# Altium PCB S6.PcbDoc (part 10 of 14) (continued)
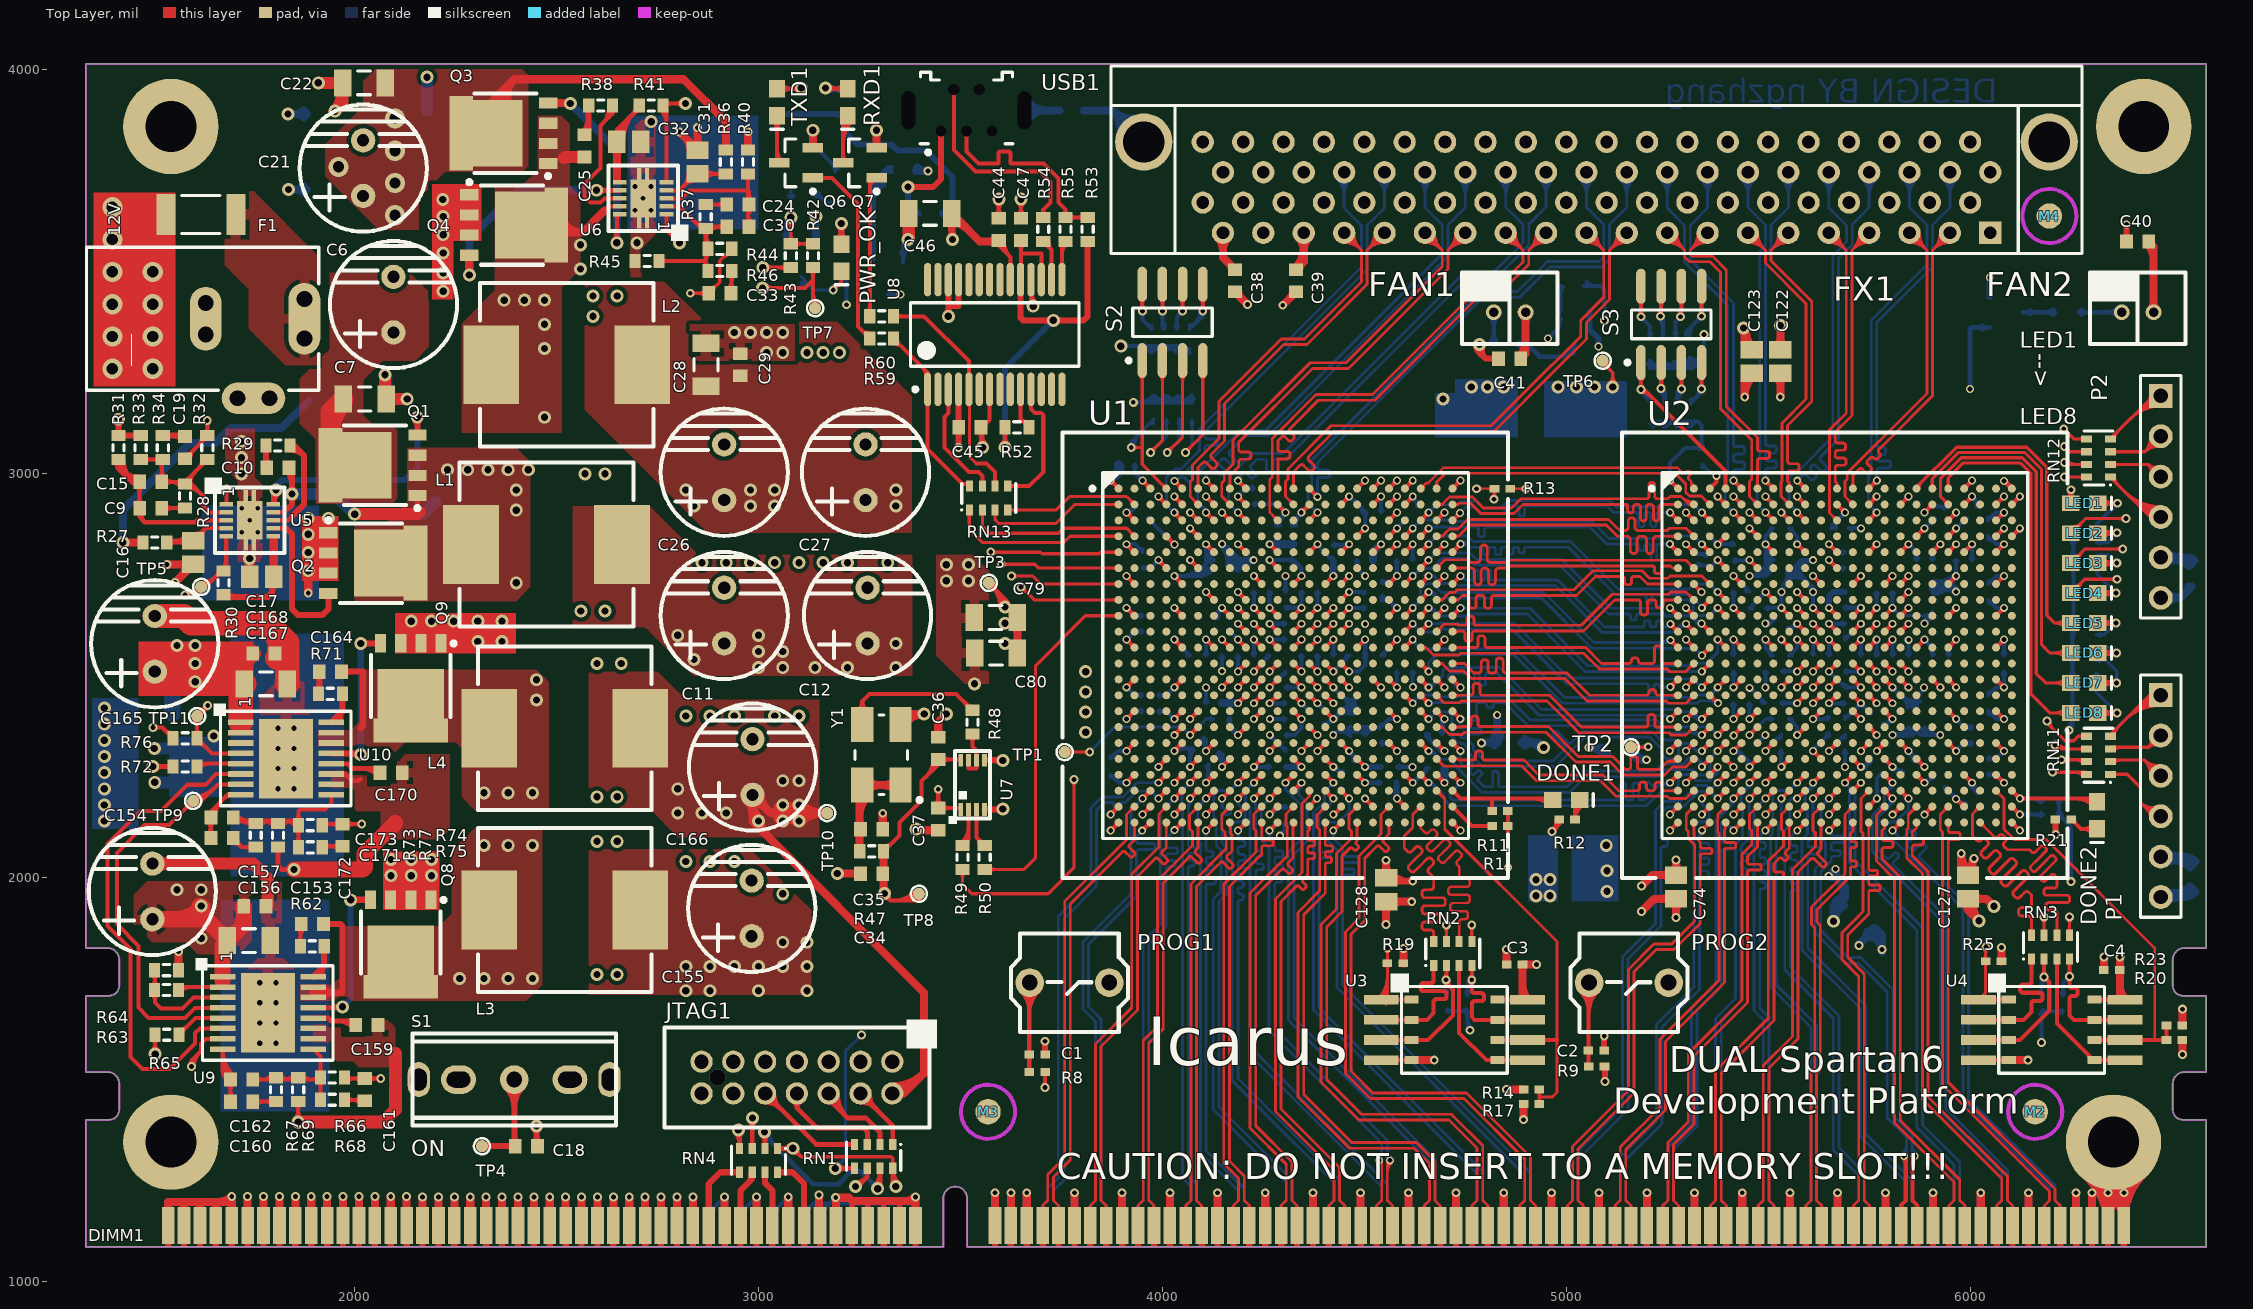
[diagram p0: Top Layer view]
## Nets (pads, with @x,y where several pads share a name; then routed paths per layer and width w, separated by ;. In a path a pad name is that pad's centre, name@x,y a point inside that pad or via, vN(x,y) a via of type N, cw(c..) or ccw(c..) an arc to the next point about the centre after c; other vN are vias at no path point) (continued)
NetLED2_2: LED2.2 RN9.6 | length 257.9
  Top Layer w10: LED2.2@6316.46,2852.86 6362.86,2852.86 v3(6364,2854) ; LED2.2@6328.82,2842.47 cw(c6353.89,2817.4) 6353.89,2852.86 cw(c6353.89,2888.31) LED2.2@6328.82,2863.24 ; 6342.39,2855.94 ccw(c6348.18,2877.54) v3@6360.65,2858.98 ; 6346.09,2850.77 cw(c6351.17,2831.78) v3@6361,2848.8 ; 6346.75,2852.86 ccw(c6346.75,2871.25) v3@6359.76,2858.24 ; 6352.27,2852.86 cw(c6352.27,2842.27) v3@6359.76,2849.76
  Bottom Layer w10: RN9.6@6314.53,2829.75 6339.75,2829.75 v3(6364,2854) ; RN9.6@6322.18,2827.02 cw(c6328.76,2820.43) 6328.76,2829.75 cw(c6328.76,2839.06) RN9.6@6322.18,2832.48 ; v3@6358,2854 cw(c6343.51,2854) 6353.76,2843.76 cw(c6364,2833.51) v3@6364,2848
NetLED3_2: LED3.2 RN9.7 | length 287.8
  Top Layer w8: LED3.2@6316.46,2778.71 v3(6363.29,2778.71) ; LED3.2@6329.52,2767.62 cw(c6356.3,2740.85) 6356.3,2778.71 cw(c6356.3,2816.58) LED3.2@6329.52,2789.8 ; 6342.28,2774.96 cw(c6348.25,2752.67) v3@6359.79,2772.65 ; 6342.28,2782.47 ccw(c6348.25,2804.76) v3@6359.79,2784.78 ; 6350.71,2777.22 ccw(c6347.93,2787.58) v3@6357.22,2782.21 ; 6350.71,2780.21 cw(c6347.93,2769.85) v3@6357.22,2775.21 ; v3@6358.34,2773.76 ccw(c6346.39,2761.81) 6346.39,2778.71 ccw(c6346.39,2795.61) v3@6358.34,2783.66
  Bottom Layer w8: RN9.7@6314.53,2798.25 6343.75,2798.25 v3(6363.29,2778.71) ; RN9.7@6322.88,2794.82 cw(c6331.18,2786.52) 6331.18,2798.25 cw(c6331.18,2809.98) RN9.7@6322.88,2801.69 ; v3@6356.29,2778.71 ccw(c6339.39,2778.71) 6351.34,2790.66 ccw(c6363.29,2802.61) v3@6363.29,2785.71
NetLED4_2: LED4.2 RN9.8 | length 310.7
  Top Layer w8: LED4.2@6316.46,2704.57 v3(6361.43,2704.57) ; LED4.2@6329.52,2693.48 cw(c6356.3,2666.7) 6356.3,2704.57 cw(c6356.3,2742.44) LED4.2@6329.52,2715.66 ; 6341.67,2700.65 cw(c6347.21,2679.95) v3@6357.93,2698.51 ; 6341.67,2708.49 ccw(c6347.21,2729.19) v3@6357.93,2710.63 ; 6347.86,2702.31 ccw(c6344.66,2714.25) v3@6355.37,2708.07 ; 6347.86,2706.83 cw(c6344.66,2694.89) v3@6355.37,2701.07 ; v3@6356.48,2699.62 ccw(c6344.53,2687.67) 6344.53,2704.57 ccw(c6344.53,2721.47) v3@6356.48,2709.52
  Bottom Layer w8: RN9.8@6311.09,2763.32 cw(c6302.8,2755.03) 6314.53,2755.03 cw(c6326.26,2755.03) RN9.8@6317.96,2763.32 ; RN9.8@6314.53,2766.76 6314.53,2751.47 v3(6361.43,2704.57) ; v3@6354.43,2704.57 ccw(c6337.53,2704.57) 6349.48,2716.52 ccw(c6361.43,2728.47) v3@6361.43,2711.57
NetLED5_2: LED5.2 RN10.5 | length 290.3
  Top Layer w8: LED5.2@6316.46,2630.43 v3(6361.57,2630.43) ; LED5.2@6329.52,2619.34 cw(c6356.3,2592.56) 6356.3,2630.43 cw(c6356.3,2668.3) LED5.2@6329.52,2641.52 ; 6341.71,2626.52 cw(c6347.29,2605.7) v3@6358.07,2624.37 ; 6341.71,2634.34 ccw(c6347.29,2655.16) v3@6358.07,2636.49 ; 6348.08,2628.22 ccw(c6344.91,2640.05) v3@6355.51,2633.93 ; 6348.08,2632.63 cw(c6344.91,2620.81) v3@6355.51,2626.93 ; v3@6356.62,2625.48 ccw(c6344.67,2613.53) 6344.67,2630.43 ccw(c6344.67,2647.33) v3@6356.62,2635.38
  Bottom Layer w8: RN10.5@6312.53,2601.24 6332.39,2601.24 v3(6361.57,2630.43) ; RN10.5@6320.88,2597.81 cw(c6329.18,2589.52) 6329.18,2601.24 cw(c6329.18,2612.97) RN10.5@6320.88,2604.68 ; v3@6354.57,2630.43 cw(c6337.67,2630.43) 6349.62,2618.48 cw(c6361.57,2606.53) v3@6361.57,2623.43
NetLED6_2: LED6.2 RN10.6 | length 286.1
  Top Layer w8: LED6.2@6316.46,2556.29 v3(6362.71,2556.29) ; LED6.2@6329.52,2545.19 cw(c6356.3,2518.42) 6356.3,2556.29 cw(c6356.3,2594.15) LED6.2@6329.52,2567.38 ; 6342.09,2552.48 cw(c6347.93,2530.68) v3@6359.21,2550.22 ; 6342.09,2560.09 ccw(c6347.93,2581.89) v3@6359.21,2562.35 ; 6349.83,2554.55 ccw(c6346.93,2565.4) v3@6356.65,2559.79 ; 6349.83,2558.02 cw(c6346.93,2547.17) v3@6356.65,2552.79 ; v3@6357.76,2551.34 ccw(c6345.81,2539.39) 6345.81,2556.29 ccw(c6345.81,2573.19) v3@6357.76,2561.24
  Bottom Layer w8: RN10.6@6312.53,2569.75 6349.25,2569.75 v3(6362.71,2556.29) ; RN10.6@6320.88,2566.31 cw(c6329.18,2558.02) 6329.18,2569.75 cw(c6329.18,2581.48) RN10.6@6320.88,2573.18 ; v3@6355.71,2556.29 ccw(c6338.81,2556.29) 6350.76,2568.24 ccw(c6362.71,2580.19) v3@6362.71,2563.29
NetLED7_2: LED7.2 RN10.7 | length 321
  Top Layer w8: LED7.2@6316.46,2482.14 v3(6362.86,2482.14) ; LED7.2@6329.52,2471.05 cw(c6356.3,2444.28) 6356.3,2482.14 cw(c6356.3,2520.01) LED7.2@6329.52,2493.23 ; 6342.14,2478.35 cw(c6348.01,2456.43) v3@6359.36,2476.08 ; 6342.14,2485.94 ccw(c6348.01,2507.86) v3@6359.36,2488.21 ; 6350.05,2480.47 ccw(c6347.18,2491.2) v3@6356.8,2485.64 ; 6350.05,2483.82 cw(c6347.18,2473.09) v3@6356.8,2478.64 ; v3@6357.91,2477.19 ccw(c6345.96,2465.24) 6345.96,2482.14 ccw(c6345.96,2499.04) v3@6357.91,2487.09
  Bottom Layer w8: RN10.7@6312.53,2538.25 6335.75,2538.25 6362.86,2511.14 v3(6362.86,2482.14) ; RN10.7@6320.88,2534.82 cw(c6329.18,2526.52) 6329.18,2538.25 cw(c6329.18,2549.98) RN10.7@6320.88,2541.69 ; v3@6357.91,2487.09 ccw(c6345.96,2499.04) 6362.86,2499.04 ccw(c6379.76,2499.04) v3@6367.81,2487.09
NetLED8_2: LED8.2 RN10.8 | length 351.7
  Top Layer w8: LED8.2@6316.46,2408 v3(6364,2408) ; LED8.2@6329.52,2396.91 cw(c6356.3,2370.13) 6356.3,2408 cw(c6356.3,2445.87) LED8.2@6329.52,2419.09 ; 6342.51,2404.31 cw(c6348.65,2381.41) v3@6360.5,2401.94 ; 6342.51,2411.69 ccw(c6348.65,2434.59) v3@6360.5,2414.06 ; 6351.81,2406.8 ccw(c6349.19,2416.55) v3@6357.94,2411.5 ; 6351.81,2409.2 cw(c6349.19,2399.45) v3@6357.94,2404.5 ; v3@6359.05,2403.05 ccw(c6347.1,2391.1) 6347.1,2408 ccw(c6347.1,2424.9) v3@6359.05,2412.95
  Bottom Layer w8: RN10.8@6309.09,2503.32 cw(c6300.8,2495.03) 6312.53,2495.03 cw(c6324.26,2495.03) RN10.8@6315.96,2503.32 ; RN10.8@6312.53,2506.76 6312.53,2459.47 v3(6364,2408) ; v3@6357,2408 ccw(c6340.1,2408) 6352.05,2419.95 ccw(c6364,2431.9) v3@6364,2415
NetP1_1: P1.1 RN11.4 | length 544.7
  Top Layer w8: RN11.4@6347.53,2354.24 6445.28,2452 P1.1@6471,2452 ; RN11.4@6349.31,2350.24 cw(c6363.26,2350.24) 6353.39,2360.11 ; RN11.4@6357.31,2350.24 cw(c6390.57,2350.24) 6367.05,2373.77 ; 6382.81,2389.53 cw(c6472,2300.34) P1.1@6472,2426.47 ; 6396.47,2403.19 cw(c6472,2327.66) P1.1@6472,2434.47 ; 6410.13,2416.84 cw(c6472,2354.97) P1.1@6472,2442.47 ; 6423.78,2430.5 cw(c6472,2382.28) P1.1@6472,2450.47 ; 6437.44,2444.16 cw(c6472,2409.6) P1.1@6472,2458.47
NetP1_2: P1.2 RN11.3 | length 203.3
  Top Layer w8: RN11.3@6347.53,2322.75 6441.75,2322.75 ; RN11.3@6355.88,2315.31 cw(c6373.83,2297.36) 6373.83,2322.75 ; P1.2@6447.47,2344.93 cw(c6425.81,2338.69) 6441.75,2322.75 ; P1.2@6463.74,2327.85 ccw(c6456.83,2307.67) 6441.75,2322.75 ; P1.2@6471,2352 6441.75,2322.75
NetP1_3: P1.3 RN11.2 | length 301
  Top Layer w8: RN11.2@6347.53,2291.25 6431.75,2291.25 ; RN11.2@6355.88,2283.82 cw(c6373.83,2265.87) 6373.83,2291.25 ; 6443.87,2279.13 ccw(c6467.53,2302.78) P1.3@6470.46,2269.46 ; 6444.56,2278.44 cw(c6420.5,2254.38) P1.3@6454.49,2252.81 ; P1.3@6446.5,2253.18 ccw(c6396.01,2255.51) 6431.75,2291.25 ; P1.3@6469.76,2277.43 cw(c6465.56,2325.06) 6431.75,2291.25 ; P1.3@6471,2252 6431.75,2291.25
NetP1_4: P1.4 RN11.1 | length 337.7
  Top Layer w8: RN11.1@6347.53,2255.76 6389.24,2255.76 6422,2223 6422,2185.28 ; RN11.1@6355.88,2252.32 cw(c6364.18,2244.03) 6364.18,2255.76 cw(c6364.18,2267.48) RN11.1@6355.88,2259.19 ; 6430.92,2176.36 ccw(c6454.7,2200.14) P1.4@6466.07,2168.49 ; 6439.84,2167.44 ccw(c6459.42,2187.02) P1.4@6468.78,2160.97 ; 6440.24,2167.04 cw(c6425.2,2152) P1.4@6446.47,2152 ; P1.4@6463.37,2176.02 cw(c6449.98,2213.26) 6422,2185.28 ; P1.4@6471,2152 6455.28,2152 6422,2185.28
NetP2_1: P2.1 RN12.4 | length 438
  Top Layer w8: RN12.4@6347.53,3086.24 6454.28,3193 P2.1@6471,3193 ; RN12.4@6357.31,3086.24 cw(c6380.92,3086.24) 6364.22,3102.94 ; 6398.18,3136.89 cw(c6472,3063.07) P2.1@6472,3167.47 ; 6411.83,3150.55 cw(c6472,3090.39) P2.1@6472,3175.47 ; 6425.49,3164.21 cw(c6472,3117.7) P2.1@6472,3183.47 ; 6439.15,3177.86 cw(c6472,3145.01) P2.1@6472,3191.47 ; 6440.95,3179.67 ccw(c6427.62,3193) P2.1@6446.47,3193
NetP2_2: P2.2 RN12.3 | length 293.2
  Top Layer w8: RN12.3@6347.53,3054.75 6432.75,3054.75 ; RN12.3@6355.88,3051.31 cw(c6364.18,3043.02) 6364.18,3054.75 cw(c6364.18,3066.48) RN12.3@6355.88,3058.18 ; 6444.57,3066.57 cw(c6466.75,3044.38) P2.2@6470.12,3075.57 ; 6445.24,3067.24 ccw(c6422.7,3089.78) P2.2@6454.51,3091.86 ; P2.2@6446.53,3091.34 cw(c6399.25,3088.25) 6432.75,3054.75 ; P2.2@6469.26,3067.62 ccw(c6464.45,3023.05) 6432.75,3054.75 ; P2.2@6471,3093 6432.75,3054.75
NetP2_3: P2.3 RN12.2 | length 224.1
  Top Layer w8: RN12.2@6347.53,3023.25 6440.75,3023.25 ; RN12.2@6355.88,3019.82 cw(c6364.18,3011.52) 6364.18,3023.25 cw(c6364.18,3034.98) RN12.2@6355.88,3026.69 ; P2.3@6447.28,2999.36 ccw(c6423.08,3005.59) 6440.75,3023.25 ; 6450.13,3013.87 ccw(c6461.89,3025.64) P2.3@6466.82,3009.74 ; P2.3@6464.45,3017.39 cw(c6457.46,3039.96) 6440.75,3023.25 ; P2.3@6471,2993 6440.75,3023.25
NetP2_4: P2.4 RN12.1 | length 517.1
  Top Layer w8: RN12.1@6347.53,2991.76 6446.28,2893 P2.4@6471,2893 ; RN12.1@6357.31,2991.76 ccw(c6380.92,2991.76) 6364.22,2975.06 ; 6384.52,2954.76 ccw(c6472,3042.24) P2.4@6472,2918.53 ; 6398.18,2941.11 ccw(c6472,3014.93) P2.4@6472,2910.53 ; 6411.83,2927.45 ccw(c6472,2987.61) P2.4@6472,2902.53 ; 6425.49,2913.79 ccw(c6472,2960.3) P2.4@6472,2894.53 ; 6439.15,2900.14 ccw(c6472,2932.99) P2.4@6472,2886.53
NetPWR_OK_1: PWR_OK.1 R39.1 | length 241.5
  Top Layer w15: PWR_OK.1@3196.38,3579.05 ccw(c3175.58,3599.85) 3205,3599.85 ccw(c3234.42,3599.85) PWR_OK.1@3213.62,3579.05 ; v2@3198.99,3613.99 cw(c3184.48,3599.48) 3205,3599.48 cw(c3225.52,3599.48) v2@3211.01,3613.99 ; PWR_OK.1@3205,3568.46 v2(3205,3620)
  Bottom Layer w15: v2@3198.99,3613.99 cw(c3184.48,3599.48) 3205,3599.48 cw(c3225.52,3599.48) v2@3211.01,3613.99 ; R39.1@3200.56,3568.97 ccw(c3189.84,3579.69) 3205,3579.69 ccw(c3220.16,3579.69) R39.1@3209.44,3568.97 ; R39.1@3205,3564.53 v2(3205,3620)
NetPWR_OK_2: PWR_OK.2 Q5.3 | length 287.7
  Top Layer w8: v3(3185,3455) 3205,3475 ; v3@3185,3462 ccw(c3185,3478.9) 3196.95,3466.95 ccw(c3208.9,3455) v3@3192,3455 ; PWR_OK.2@3198.4,3485.34 cw(c3193.6,3475) 3205,3475 ; PWR_OK.2@3205,3501.54 3205,3475 ; PWR_OK.2@3211.6,3485.34 ccw(c3216.4,3475) 3205,3475
  Bottom Layer w8: Q5.3@3104.98,3475.07 cw(c3107.24,3447.98) 3126.46,3467.2 ; Q5.3@3105,3488.66 3138.66,3455 ; Q5.3@3105.65,3467.1 cw(c3109.11,3425.45) 3138.66,3455 ; v3@3180.05,3450.05 ccw(c3168.1,3438.1) 3168.1,3455 ccw(c3168.1,3471.9) v3@3180.05,3459.95 ; v3(3185,3455) 3138.66,3455
NetQ1_4: Q1.4 U5.10 | length 720.4
  Top Layer w15: U5.10@1800,2929.59 cw(c1832.51,2929.59) v2@1810.7,2953.7 ; 1800,2930 1800,2955 v2(1805,2960) ; v2@2148.99,3133.99 cw(c2133.79,3118.79) 2155.28,3118.79 ; Q1.4@2150.84,3100.44 ccw(c2140.12,3111.16) 2155.28,3111.16 ccw(c2170.44,3111.16) Q1.4@2159.72,3100.44 ; v2(2155,3140) 2155.28,3139.72 Q1.4@2155.28,3096 ; 2155.28,3120.16 cw(c2174.84,3120.16) v2@2161.01,3133.99
  Bottom Layer w15: v2(1805,2960) 1805,2970 1820,2985 ; v2@1813.29,2961.86 cw(c1837.66,2967.34) 1820,2985 ; v2@2148.99,3133.99 cw(c2134.48,3119.48) 2155,3119.48 cw(c2175.52,3119.48) v2@2161.01,3133.99 ; v2(2155,3140) 2155,3015 2125,2985 1820,2985
NetQ2_4: Q2.4 U5.7 | length 403.4
  Top Layer w12: U5.7@1798.07,2865.32 1798.39,2865 1830,2865
  Top Layer w15: 1830,2865 1845,2850 1845,2665 1860,2650 1920,2650 1934.72,2664.72 Q2.4@1934.72,2704 ; Q2.4@1930.28,2699.56 cw(c1919.56,2688.84) 1934.72,2688.84 cw(c1949.88,2688.84) Q2.4@1939.16,2699.56
NetQ3_4: Q3.4 U6.10 | length 598.9
  Top Layer w10: v2@2533,3918 v2(2534,3917) ; v2@2641.22,3579.78 ccw(c2622.44,3598.56) 2649,3598.56 ccw(c2675.56,3598.56) v2@2656.78,3579.78 ; U6.10@2644.35,3642.27 cw(c2633.11,3631.03) 2649,3631.03 ; U6.10@2644.46,3642.18 cw(c2640.2,3634.48) 2649,3634.48 ; v2(2649,3572) 2649,3635.7 U6.10@2655.93,3642.63
  Top Layer w20: Q3.4@2479.28,3918 v2@2533,3918 ; 2517.1,3918 cw(c2517.1,3900.1) v2@2529.76,3912.76
  Bottom Layer w20: v2(2534,3917) 2649,3802 v2(2649,3572)
NetQ4_4: Q4.4 U6.7 | length 598.8
  Top Layer w12: v2(2599,3702) 2599.32,3701.68 U6.7@2655.93,3701.68 ; v2@2606.07,3694.93 cw(c2622.38,3678.62) 2622.38,3701.68 ; v2@2606.07,3709.07 ccw(c2623.9,3726.9) 2623.9,3701.68
  Top Layer w20: Q4.4@2283.72,3541 2283.72,3492.28 v2(2284,3492)
  Bottom Layer w20: v2(2284,3492) 2284,3582 2404,3702 v2(2599,3702)
NetQ5_1: Q5.1 R42.1 R43.1 R79.2 | length 645.3
  Top Layer w8: v2@3071.51,3626.51 cw(c3051.03,3606.03) 3080,3606.03 cw(c3108.97,3606.03) v2@3088.49,3626.51 ; R43.1@3073.08,3576.44 ccw(c3056.39,3593.14) 3080,3593.14 ccw(c3103.61,3593.14) R43.1@3086.92,3576.44 ; v2(3080,3635) R43.1@3080,3569.53 R42.1@3135,3569.53 ; R43.1@3090.85,3562.61 cw(c3107.55,3545.92) 3107.55,3569.53 cw(c3107.55,3593.14) R43.1@3090.85,3576.44 ; R42.1@3124.15,3562.61 ccw(c3107.45,3545.92) 3107.45,3569.53 ccw(c3107.45,3593.14) R42.1@3124.15,3576.44
  Bottom Layer w8: Q5.1@3062.08,3590.64 ccw(c3048.74,3603.98) 3067.6,3603.98 ccw(c3086.46,3603.98) Q5.1@3073.12,3590.64 ; Q5.1@3067.6,3571.34 3067.6,3622.6 v2(3080,3635) ; Q5.1@3067.6,3576.09 cw(c3138.91,3576.09) v2@3088.49,3626.51 ; Q5.1@3067.6,3595.4 cw(c3119.6,3595.4) v2@3082.83,3632.17 ; 3067.6,3614.72 cw(c3100.28,3614.72) v2@3077.17,3637.83 ; v2@3071.51,3643.49 ccw(c3049.89,3665.11) 3080.47,3665.11 ; R79.2@3073.56,3689.15 cw(c3056.86,3672.45) 3080.47,3672.45 cw(c3104.08,3672.45) R79.2@3087.39,3689.15 ; v2@3080.47,3635.47 R79.2@3080.47,3700 ; 3080.47,3662.83 ccw(c3107.83,3662.83) v2@3088.49,3643.49
NetQ6_1: Q6.1 R59.1 | length 560.7
  Top Layer w10: Q6.1@3116.34,3732.6 Q6.1@3134.34,3732.6 3181.4,3732.6 3246,3668 3246,3364.47 R59.1@3275.47,3335 ; Q6.1@3152.93,3727.78 cw(c3164.56,3716.16) 3164.56,3732.6 cw(c3164.56,3749.04) Q6.1@3152.93,3737.41 ; 3253.76,3356.71 ccw(c3275.47,3378.42) R59.1@3275.47,3347.72 ; R59.1@3263.27,3347.2 cw(c3255,3338.94) R59.1@3266.69,3338.94
NetQ6_3: Q6.3 TXD1.2 | length 204.6
  Top Layer w10: TXD1.2@3035.62,3874.18 cw(c3010.55,3849.11) 3046,3849.11 cw(c3081.45,3849.11) TXD1.2@3056.38,3874.18 ; TXD1.2@3044.66,3885.2 TXD1.2@3046,3886.54 3046,3775.66 Q6.3@3051.66,3770 ; 3046,3800.11 ccw(c3081.77,3800.11) Q6.3@3056.48,3774.82
NetQ7_1: Q7.1 R60.1 | length 416.1
  Top Layer w10: R60.1@3269.26,3400.15 ccw(c3254.28,3415.13) 3275.47,3415.13 ccw(c3296.67,3415.13) R60.1@3281.68,3400.15 ; R60.1@3275.47,3390 3275.47,3716.73 Q7.1@3291.34,3732.6 ; 3275.47,3708.7 cw(c3302.45,3708.7) Q7.1@3283.38,3727.78 ; 3275.47,3716.44 cw(c3286.81,3716.44) Q7.1@3281.66,3726.53
NetQ7_3: Q7.3 RXD1.2 | length 244.6
  Top Layer w10: Q7.3@3204.85,3774.82 ccw(c3193.22,3786.44) 3209.66,3786.44 ccw(c3226.1,3786.44) Q7.3@3214.48,3774.82 ; Q7.3@3209.66,3770 3209.66,3875.2 RXD1.2@3221,3886.54 ; 3209.66,3821.74 cw(c3283.83,3821.74) RXD1.2@3231.38,3874.18 ; 3209.66,3845.88 cw(c3259.68,3845.88) RXD1.2@3224.31,3881.25
NetQ8_4: Q8.4 U9.13 | length 554.5
  Top Layer w12: U9.13@1897.2,1677.8 1967.8,1677.8 v2(1970,1680) ; 1940.54,1677.8 ccw(c1940.54,1709.46) v2@1962.93,1687.07 ; 1951.18,1677.8 cw(c1951.18,1661.18) v2@1962.93,1672.93
  Top Layer w15: v2(1990,1945) 1990.28,1945.28 Q8.4@2039,1945.28 ; v2@1996.01,1938.99 cw(c2011.21,1923.79) 2011.21,1945.28 ; v2@1996.01,1951.01 ccw(c2009.84,1964.84) 2009.84,1945.28 ; Q8.4@2034.56,1940.84 ccw(c2023.84,1930.12) 2023.84,1945.28 ccw(c2023.84,1960.44) Q8.4@2034.56,1949.72
  Bottom Layer w15: v2(1970,1680) 1990,1700 v2(1990,1945) ; v2@1970,1688.5 ccw(c1970,1709.02) 1984.51,1694.51 ccw(c1999.02,1680) v2@1978.5,1680 ; v2@1983.99,1938.99 cw(c1969.48,1924.48) 1990,1924.48 cw(c2010.52,1924.48) v2@1996.01,1938.99
NetQ9_4: Q9.4 U10.13 | length 542.2
  Top Layer w15: U10.13@1942.2,2307.8 2012.2,2307.8 v2(2015,2305) ; 1987.73,2307.8 cw(c1987.73,2277.73) v2@2008.99,2298.99 ; v2(2015,2580) 2015.28,2580.28 Q9.4@2064,2580.28 ; v2@2021.01,2573.99 cw(c2036.21,2558.79) 2036.21,2580.28 ; v2@2021.01,2586.01 ccw(c2034.84,2599.84) 2034.84,2580.28 ; Q9.4@2059.56,2575.84 ccw(c2048.84,2565.12) 2048.84,2580.28 ccw(c2048.84,2595.44) Q9.4@2059.56,2584.72
  Bottom Layer w15: v2@2008.99,2311.01 ccw(c1994.48,2325.52) 2015,2325.52 ccw(c2035.52,2325.52) v2@2021.01,2311.01 ; v2@2008.99,2573.99 cw(c1994.48,2559.48) 2015,2559.48 cw(c2035.52,2559.48) v2@2021.01,2573.99 ; v2(2015,2305) v2(2015,2580)
NetQ10_1: Q10.1 R79.1 | length 132.3
  Bottom Layer w10: R79.1@3139.53,3687.28 cw(c3139.53,3656.58) 3161.24,3678.29 ; R79.1@3139.53,3700 3169.53,3670 Q10.1@3203.66,3670 ; R79.1@3148.31,3696.06 ccw(c3160,3696.06) R79.1@3151.73,3687.8 ; 3170.88,3670 ccw(c3170.88,3698.54) Q10.1@3191.07,3678.36
NetQ10_3: Q10.3 Q11.1 R80.2 | length 550.3
  Bottom Layer w10: Q11.1@3277.78,3544.93 ccw(c3257.13,3565.59) 3286.34,3565.59 ; Q10.3@3284.62,3714.05 cw(c3292.99,3718.35) 3286.34,3725 ; Q10.3@3284.79,3701.83 cw(c3307.2,3711.41) 3289.97,3728.63 ; Q11.1@3286.34,3530.08 3286.34,3725 ; 3286.34,3680.02 cw(c3323.27,3680.02) Q10.3@3297.15,3706.13 ; Q10.3@3292.97,3717.73 cw(c3293.64,3725) 3286.34,3725 ; 3293.17,3731.83 cw(c3330.47,3694.53) R80.2@3330.47,3747.28 ; Q10.3@3293.99,3705.76 cw(c3321.85,3717.67) 3300.43,3739.09 ; Q10.3@3303.19,3709.69 cw(c3336.5,3723.93) 3310.88,3749.54 ; 3310.24,3748.9 cw(c3330.47,3728.67) R80.2@3330.47,3757.28 ; Q10.3@3312.38,3713.62 cw(c3351.15,3730.19) R80.2@3321.34,3760 ; R80.2@3330.47,3760 R80.2@3321.34,3760 ; 3286.34,3725 R80.2@3321.34,3760
NetQ12_3: Q12.3 R82.1 | length 238.6
  Bottom Layer w12: R82.1@4879.53,3320 4905,3320 4935,3290 4991.34,3290 ; R82.1@4885.03,3314.5 cw(c4898.31,3301.22) 4898.31,3320 cw(c4898.31,3338.78) R82.1@4885.03,3325.5 ; 5008.14,3306.8 cw(c5018.69,3296.24) Q12.3@5020.93,3311 ; Q12.3@5019.13,3299.14 ccw(c5014.28,3267.06) 4991.34,3290 ; Q12.3@5020,3318.66 4991.34,3290
NetQ13_3: Q13.3 R83.1 | length 130.7
  Bottom Layer w12: Q13.3@6131.34,3400 R83.1@6210.47,3400 ; Q13.3@6149.23,3395.89 cw(c6159.15,3385.97) 6159.15,3400 cw(c6159.15,3414.03) Q13.3@6149.23,3404.11 ; R83.1@6204.97,3394.5 ccw(c6191.69,3381.22) 6191.69,3400 ccw(c6191.69,3418.78) R83.1@6204.97,3405.5
NetR29_2: R29.2 U5.8 | length 298.6
  Top Layer w12: U5.8@1798.07,2885 1835,2885 1845,2895
  Top Layer w15: R29.2@1839.53,3059.78 cw(c1839.53,3009.84) 1874.85,3045.15 ; R29.2@1839.53,3070 1850,3070 1875,3045 1875,2925 1845,2895
NetR38_2: R38.2 U6.8 | length 450
  Top Layer w10: 2611.85,3864.85 ccw(c2568.63,3908.06) R38.2@2629.75,3908.06 ; 2628.92,3881.92 ccw(c2602.77,3908.06) R38.2@2639.75,3908.06 ; R38.2@2633.61,3900.79 cw(c2627.35,3891.53) 2638.53,3891.53 ; R38.2@2638.53,3912 2638.53,3891.53 ; R38.2@2643.45,3900.79 ccw(c2649.71,3891.53) 2638.53,3891.53 ; U6.8@2655.93,3682 2619,3682 2609,3672 2584,3672 2569,3687 2569,3717 2609,3757 2609,3862 2638.53,3891.53
NetR48_2: R48.2 Y1.3 | length 444.2
  Top Layer w10: Y1.3@3244.24,2413.32 ccw(c3228.58,2436.77) 3256.77,2436.77 ; Y1.3@3256.77,2378.82 3256.77,2436.77 ; Y1.3@3269.3,2413.32 cw(c3284.97,2436.77) 3256.77,2436.77 ; 3508.29,2436.24 cw(c3486.58,2414.53) R48.2@3517.28,2414.53 ; R48.2@3517.8,2426.73 ccw(c3526.06,2435) R48.2@3526.06,2423.31 ; R48.2@3530,2414.53 3489.53,2455 3275,2455 3256.77,2436.77
NetR49_2: R49.2 U7.2 | length 192.8
  Top Layer w10: R49.2@3502.73,2085.74 ccw(c3460.65,2127.81) 3520.16,2127.81 ; R49.2@3505,2079.53 3520.16,2094.69 ; R49.2@3508.94,2088.31 ccw(c3508.94,2100) R49.2@3517.2,2091.73 ; R49.2@3509.8,2078.66 ccw(c3484.79,2103.67) 3520.16,2103.67 ; R49.2@3517.26,2082.33 cw(c3528.67,2086.17) 3520.16,2094.68 ; U7.2@3520.16,2168.98 3520.16,2094.69
NetR50_2: R50.2 U7.3 | length 128.6
  Top Layer w10: U7.3@3539.84,2168.98 3539.84,2099.69 ; R50.2@3547.3,2080.05 ccw(c3521.73,2081.57) 3539.84,2099.68 ; R50.2@3547.8,2091.73 ccw(c3556.06,2100) R50.2@3556.06,2088.31 ; R50.2@3560,2079.53 3539.84,2099.69
NetR51_2: R51.2 USB1.1 | length 388
  Top Layer w15: v2(3370,3710) 3432,3710 3452.01,3730.01 USB1.1@3452.01,3848.82 ; v2@3376.01,3703.99 cw(c3390.52,3689.48) 3390.52,3710 cw(c3390.52,3730.52) v2@3376.01,3716.01
  Bottom Layer w15: v2@3363.99,3703.99 cw(c3349.76,3689.76) 3369.88,3689.76 ; 3369.88,3689.19 cw(c3390.81,3689.19) v2@3376.01,3703.99 ; v2(3370,3710) 3369.88,3709.88 3369.88,3645 R51.2@3395.47,3645 ; R51.2@3391.03,3640.56 ccw(c3380.31,3629.84) 3380.31,3645 ccw(c3380.31,3660.16) R51.2@3391.03,3649.44
NetR52_1: R52.1 U8.10 | length 148.8
  Top Layer w10: U8.10@3646.25,3173.96 cw(c3639.66,3167.38) 3648.98,3167.38 cw(c3658.29,3167.38) U8.10@3651.7,3173.96 ; U8.10@3648.98,3209.17 3648.98,3135.55 ; R52.1@3657.32,3127.2 cw(c3649.06,3118.94) R52.1@3660.75,3118.94 ; R52.1@3669.14,3127.71 cw(c3667.97,3154.54) 3648.98,3135.55 ; R52.1@3669.53,3115 3648.98,3135.55
NetR54_1: R54.1 U8.16 | length 149.6
  Top Layer w10: R54.1@3705,3575.47 3725.75,3554.72 U8.16@3725.75,3480.83 ; R54.1@3708.94,3566.69 cw(c3708.94,3555) R54.1@3717.2,3563.27 ; R54.1@3717.71,3575.16 ccw(c3745.19,3574.17) 3725.75,3554.73 ; U8.16@3723.02,3516.04 ccw(c3716.43,3522.62) 3725.75,3522.62 ccw(c3735.06,3522.62) U8.16@3728.48,3516.04
NetR55_1: R55.1 U8.15 | length 142.2
  Top Layer w10: U8.15@3748.61,3516.04 ccw(c3742.02,3522.62) 3751.34,3522.62 ccw(c3760.65,3522.62) U8.15@3754.07,3516.04 ; U8.15@3751.34,3480.83 3751.34,3566.81 R55.1@3760,3575.47 ; 3751.34,3542.87 cw(c3788.66,3542.87) R55.1@3762.27,3569.26
NetR56_2: R56.2 USB1.6 USB1.7 | length 168.3
  Bottom Layer w20: USB1.6@3658.7,3900 R56.2@3745.47,3900 ; USB1.6@3673.9,3884.8 cw(c3710.6,3848.1) 3710.6,3900 cw(c3710.6,3951.9) USB1.6@3673.9,3915.2
NetR57_1: R57.1 TXD1.1 | length 293.3
  Top Layer w10: TXD1.1@3046,3953.46 3104.46,3953.46 v2(3106,3955) ; TXD1.1@3056.38,3943.08 cw(c3081.45,3918.01) 3081.45,3953.46 cw(c3081.45,3988.92) TXD1.1@3056.38,3963.85 ; 3075.74,3953.46 ccw(c3075.74,3985.26) v2@3098.22,3962.78 ; 3083.15,3953.46 cw(c3083.15,3932.15) v2@3098.22,3947.22
  Bottom Layer w10: R57.1@3046,3949.53 3051.47,3955 v2(3106,3955) ; R57.1@3056.14,3943.32 cw(c3084.34,3915.12) 3084.34,3955 ; v2@3098.22,3947.22 ccw(c3079.44,3928.44) 3079.44,3955 ccw(c3079.44,3981.56) v2@3098.22,3962.78
NetR58_1: R58.1 RXD1.1 | length 366.3
  Top Layer w10: v2(3166,3955) 3167.54,3953.46 RXD1.1@3221,3953.46 ; v2@3173.78,3947.22 cw(c3188.85,3932.15) 3188.85,3953.46 ; v2@3173.78,3962.78 ccw(c3196.26,3985.26) 3196.26,3953.46 ; RXD1.1@3210.62,3943.08 ccw(c3185.55,3918.01) 3185.55,3953.46 ccw(c3185.55,3988.92) RXD1.1@3210.62,3963.85
  Bottom Layer w10: v2(3166,3955) 3210.53,3955 R58.1@3221,3944.53 ; v2@3170.58,3955 cw(c3170.58,3898.05) R58.1@3210.85,3938.32 ; v2@3171.5,3945.47 cw(c3186.8,3918.97) 3194.73,3948.53 ; v2@3173.78,3947.22 cw(c3192.56,3928.44) 3192.56,3955 cw(c3192.56,3981.56) v2@3173.78,3962.78 ; v2@3175.53,3960.5 ccw(c3195.02,3971.75) 3189.19,3950.01 ; 3194.73,3955 cw(c3194.73,3922.19) R58.1@3217.93,3945.39
NetR62_1: R62.1 U9.16 | length 140.6
  Top Layer w15: U9.16@1897.2,1754.57 1924.53,1781.89 ; R62.1@1920.09,1821.62 cw(c1909.37,1810.9) 1924.53,1810.9 cw(c1939.69,1810.9) R62.1@1928.97,1821.62 ; U9.16@1921.29,1754.25 cw(c1940.39,1766.02) 1924.53,1781.89 ; R62.1@1924.53,1830 1924.53,1781.89
NetR63_2: R63.2 R64.1 U9.3 | length 370
  Top Layer w10: R63.2@1498.26,1711.85 cw(c1480.86,1694.45) 1505.47,1694.45 ; R63.2@1498.26,1732.14 ccw(c1480.86,1749.55) 1505.47,1749.55 ; R64.1@1498.26,1760.86 cw(c1480.86,1743.45) 1505.47,1743.45 ; 1505.47,1699.28 cw(c1523.25,1699.28) R63.2@1510.68,1711.85 ; 1505.47,1744.72 ccw(c1523.25,1744.72) R63.2@1510.68,1732.14 ; 1505.47,1748.28 cw(c1523.25,1748.28) R64.1@1510.68,1760.86 ; R64.1@1505.47,1776 1505.47,1690.53 1520,1676 1574,1676 1601.39,1703.39 U9.3@1672.8,1703.39
NetR65_1: R65.1 U9.5 | length 158.6
  Top Layer w10: R65.1@1564.53,1611 1605.73,1652.2 U9.5@1672.8,1652.2 ; R65.1@1564.53,1623.72 ccw(c1564.53,1654.42) 1586.24,1632.71 ; R65.1@1573.31,1614.94 cw(c1585,1614.94) R65.1@1576.73,1623.2
NetR71_1: R71.1 U10.16 | length 135.6
  Top Layer w15: U10.16@1942.2,2384.57 1969.53,2411.89 ; R71.1@1965.09,2446.62 cw(c1954.37,2435.9) 1969.53,2435.9 cw(c1984.69,2435.9) R71.1@1973.97,2446.62 ; U10.16@1966.29,2384.25 cw(c1985.39,2396.02) 1969.53,2411.89 ; R71.1@1969.53,2455 1969.53,2411.89
NetR72_1: R72.1 U10.5 | length 136.7
  Top Layer w10: R72.1@1609.53,2275 1616.73,2282.2 U10.5@1717.8,2282.2 ; R72.1@1615.74,2272.73 cw(c1638.61,2249.85) 1638.61,2282.2
NetRN5_5: RN5.5 S2.8 | length 208.4
  Top Layer w10: S2.8@3945.18,3433.18 cw(c3933.56,3421.55) 3950,3421.55 cw(c3966.44,3421.55) S2.8@3954.82,3433.18 ; v3@3946.76,3407.24 ccw(c3938.93,3415.07) 3950,3415.07 ; 3950,3419.9 ccw(c3967.9,3419.9) v3@3955.24,3407.24 ; S2.8@3950,3469.49 3950,3404 v3(3951,3403)
  Bottom Layer w10: v3@3946.76,3398.76 cw(c3936.51,3388.51) 3951,3388.51 cw(c3965.49,3388.51) v3@3955.24,3398.76 ; v3(3951,3403) 3951,3380.28 RN5.5@3972.76,3358.53 ; 3957.77,3373.52 ccw(c3972.76,3388.5) RN5.5@3972.76,3367.31
NetRN5_6: RN5.6 S2.7 | length 202.8
  Top Layer w10: S2.7@3995.18,3433.18 cw(c3983.56,3421.55) 4000,3421.55 cw(c4016.44,3421.55) S2.7@4004.82,3433.18 ; v3@3995.76,3407.24 ccw(c3985.51,3417.49) 4000,3417.49 ccw(c4014.49,3417.49) v3@4004.24,3407.24 ; v3(4000,3403) S2.7@4000,3469.49
  Bottom Layer w10: v3@3995.76,3398.76 cw(c3985.51,3388.51) 4000,3388.51 cw(c4014.49,3388.51) v3@4004.24,3398.76 ; 4000,3383.03 ccw(c4023.83,3383.03) RN5.6@4006.98,3366.18 ; v3(4000,3403) 4000,3362.78 RN5.6@4004.25,3358.53
NetRN5_7: RN5.7 S2.6 | length 202.8
  Top Layer w10: S2.6@4045.18,3433.18 cw(c4033.56,3421.55) 4050,3421.55 cw(c4066.44,3421.55) S2.6@4054.82,3433.18 ; v3@4045.76,3407.24 ccw(c4035.51,3417.49) 4050,3417.49 ccw(c4064.49,3417.49) v3@4054.24,3407.24 ; v3(4050,3403) S2.6@4050,3469.49
  Bottom Layer w10: RN5.7@4033.02,3366.18 ccw(c4026.43,3372.76) 4035.75,3372.76 ccw(c4045.06,3372.76) RN5.7@4038.48,3366.18 ; RN5.7@4035.75,3358.53 4035.75,3388.75 v3(4050,3403) ; v3@4044,3403 cw(c4029.51,3403) 4039.76,3392.76 cw(c4050,3382.51) v3@4050,3397
NetRN5_8: RN5.8 S2.5 | length 254
  Top Layer w10: S2.5@4095.18,3433.18 cw(c4083.56,3421.55) 4100,3421.55 cw(c4116.44,3421.55) S2.5@4104.82,3433.18 ; v3@4095.76,3407.24 ccw(c4085.51,3417.49) 4100,3417.49 ccw(c4114.49,3417.49) v3@4104.24,3407.24 ; v3(4100,3403) S2.5@4100,3469.49
  Bottom Layer w10: RN5.8@4067.24,3358.53 4100,3391.28 ; RN5.8@4067.24,3367.31 ccw(c4067.24,3388.5) 4082.23,3373.52 ; 4081.47,3372.76 ccw(c4051.23,3403) v3@4094,3403 ; v3@4096.49,3398.13 cw(c4091.56,3391.28) 4100,3391.28 ; 4098.54,3389.83 ccw(c4085.37,3403) v3@4104,3403 ; v3(4100,3403) 4100,3391.28 ; v3@4103.51,3398.13 ccw(c4108.44,3391.28) 4100,3391.28
NetRN7_5: RN7.5 S3.8 | length 220.4
  Top Layer w10: S3.8@5180.18,3428.18 cw(c5168.56,3416.55) 5185,3416.55 cw(c5201.44,3416.55) S3.8@5189.82,3428.18 ; v3@5180.76,3393.24 ccw(c5170.51,3403.49) 5185,3403.49 ccw(c5199.49,3403.49) v3@5189.24,3393.24 ; v3(5185,3389) S3.8@5185,3464.49
  Bottom Layer w10: v3@5185,3383 cw(c5185,3368.51) 5195.24,3378.76 cw(c5205.49,3389) v3@5191,3389 ; v3(5185,3389) 5207.76,3366.24 RN7.5@5207.76,3339.53 ; RN7.5@5205.03,3347.18 ccw(c5198.44,3353.76) 5207.76,3353.76 ccw(c5217.07,3353.76) RN7.5@5210.48,3347.18